# Altium PCB LAY-94611_B.PcbDoc (part 14 of 16) (continued)
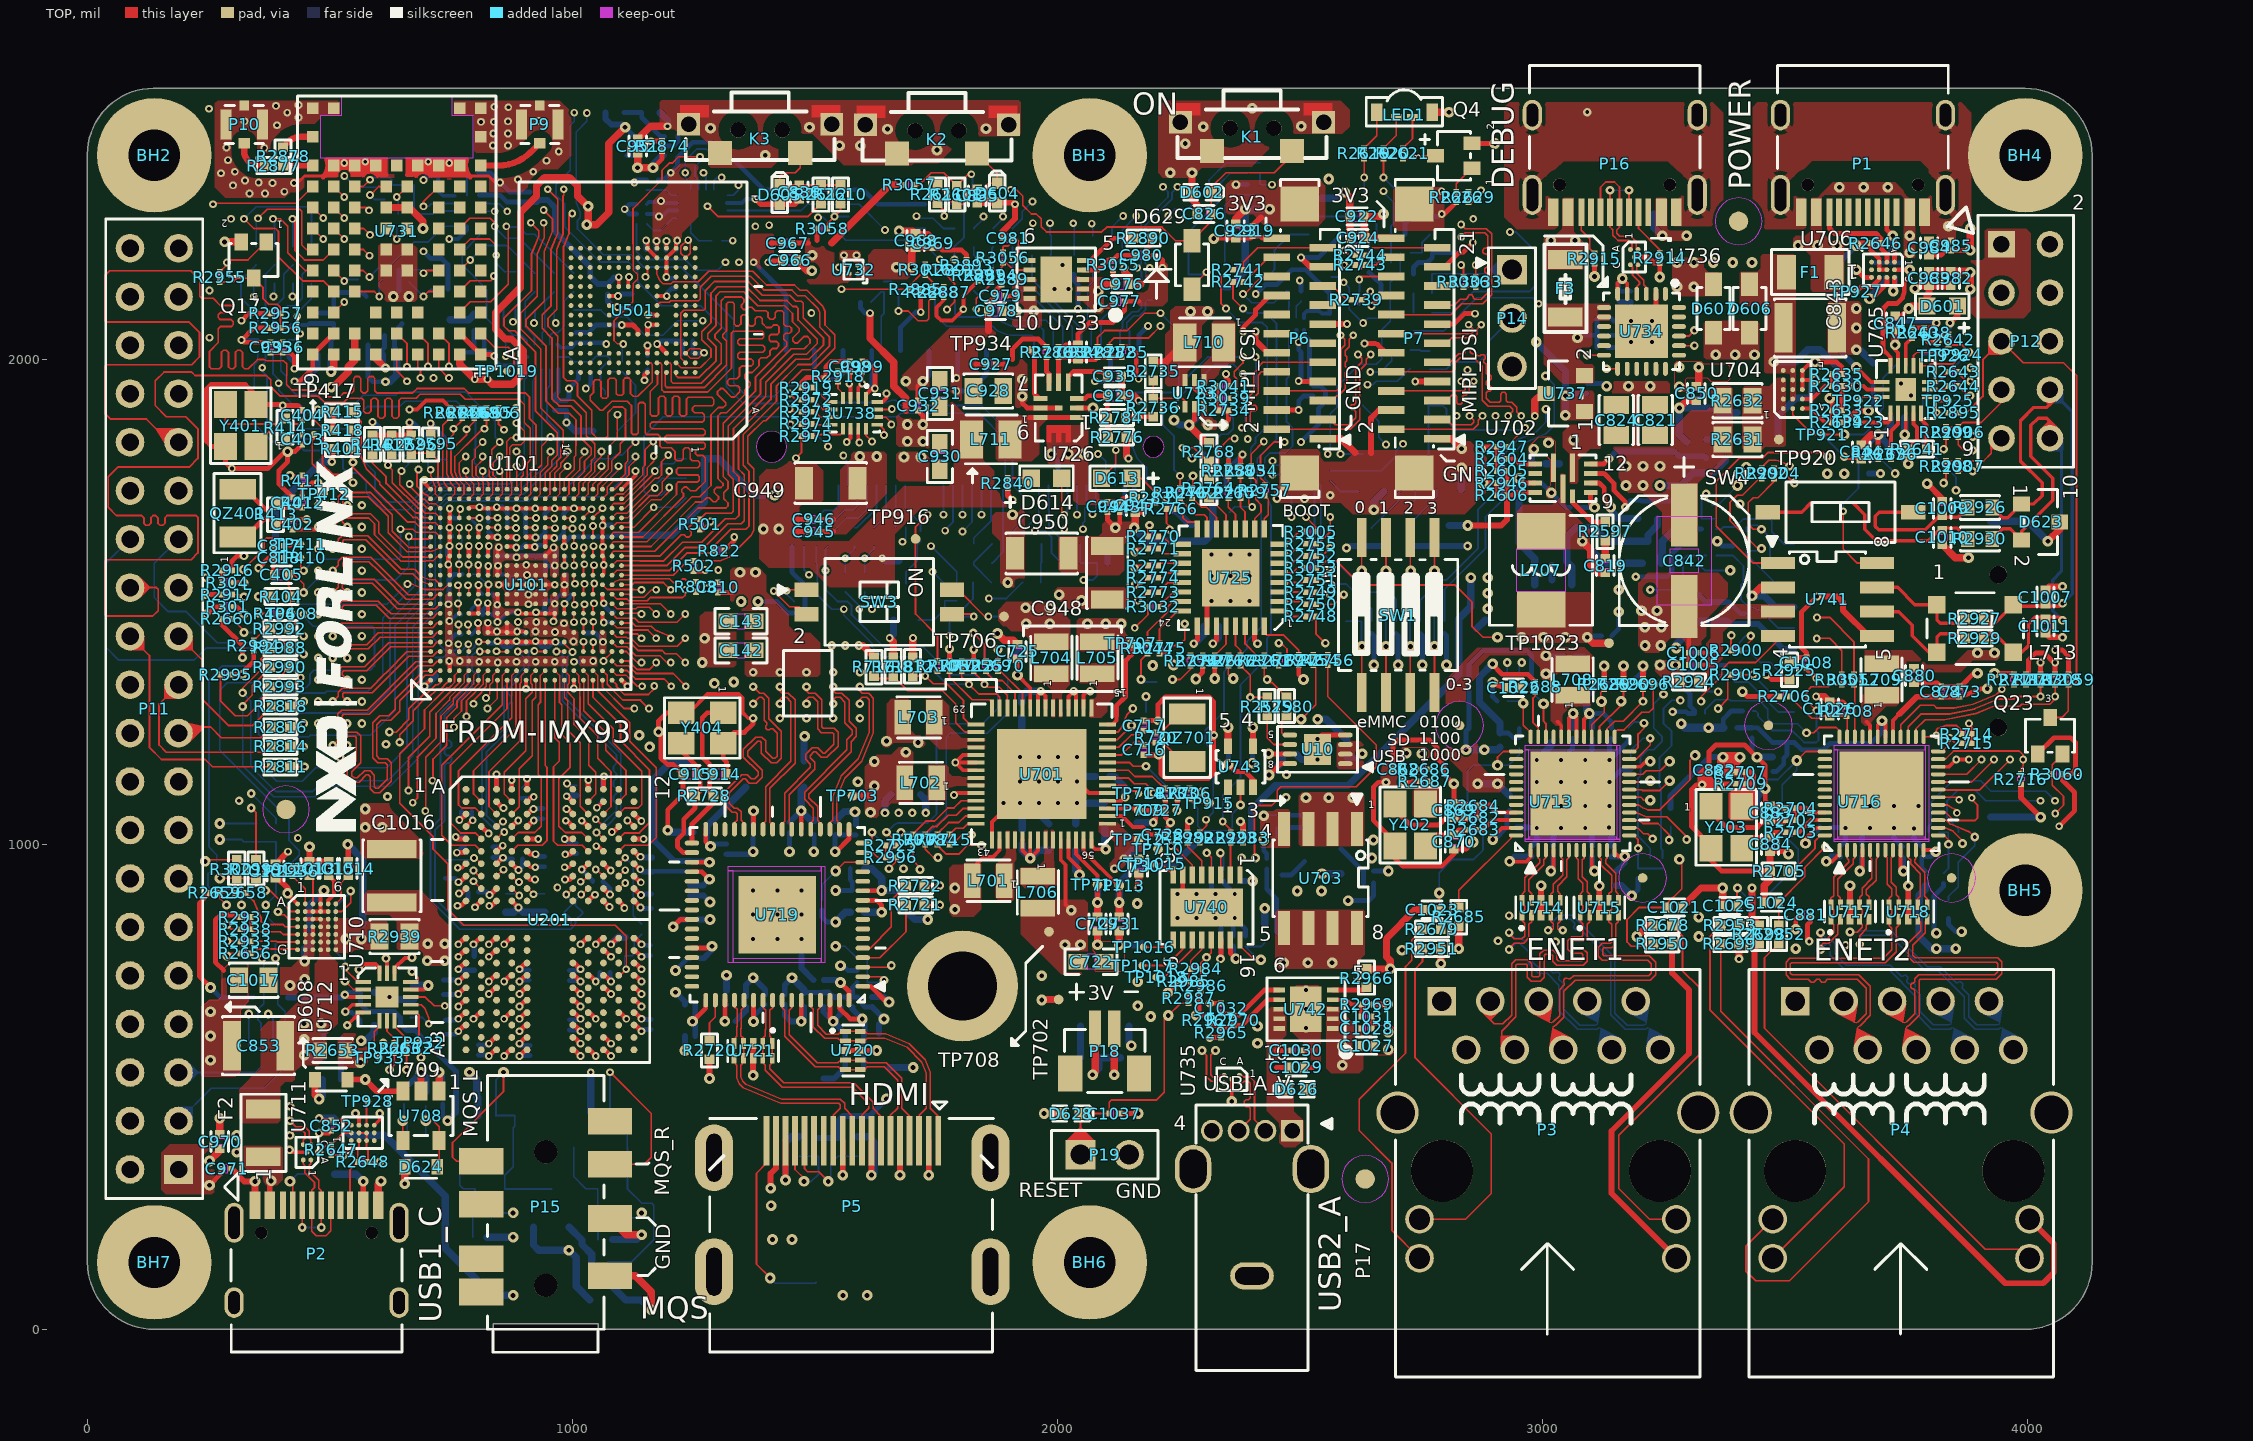
[diagram p0: TOP view]
## Polygon pours and split planes (outlines as drawn) (continued)
GND on BOTTOM "GND_L10_P331" (solid, remove dead copper, pour order 331): 2356.08,2080 2312.8,2080 2307.8,2075 2308.8,2074 2308.8,2043 2410.8,2043 2417.8,2050 2417.8,2064.18 2371.9,2064.18 2368.44,2067.64
DSI&CAM_3V3 on BOTTOM "DSI&CAM_3V3_L10_P330" (solid, remove dead copper, pour order 330): 2316,2114 2239,2114 2235,2110 2235,2090.02 2262.14,2062.88 2262.14,2040 2287.8,2040 2292.8,2045 2292.8,2087.8 2295,2090 2315,2090 2320,2095 2320,2110
NetL712_1 on BOTTOM "NETL712_1_L10_P329" (solid, remove dead copper, pour order 329): 1096.09,2465 1112.8,2448.29 1112.8,2420 1102.8,2410 1019.62,2410 1019.62,2460 1024.62,2465
GND on BOTTOM "GND_L10_P328" (solid, remove dead copper, pour order 328): 1112.82,2372.02 1112.82,2338.85 1098.95,2324.98 1082.78,2324.98 1077.82,2320.02 1077.82,2264.98 1082.8,2260 1112.8,2260 1114.8,2262 1114.8,2322 1137.8,2345 1137.8,2370 1132.8,2375 1115.8,2375
VEXT_1V8 on BOTTOM "VEXT_1V8_L10_P327" (solid, remove dead copper, pour order 327): 1077.8,2335 1067.8,2325 1067.8,2260 1062.8,2255 1041.52,2255 1028.12,2268.4 1028.12,2317.91 1019.62,2326.41 1019.62,2390 1097.8,2390 1102.8,2385 1102.8,2343 1094.8,2335
VPCIE_3V3 on BOTTOM "VPCIE_3V3_L10_P326" (solid, remove dead copper, pour order 326): 539.8,2107 527.8,2095 527.8,1972 512.8,1957 500.8,1957 491.8,1948 491.8,1941 499.8,1933 548.7,1933 562.8,1947.1 562.8,2050 585.78,2072.98 585.78,2105.02 583.8,2107
GND on BOTTOM "GND_L10_P325" (solid, remove dead copper, pour order 325): 18 vertices, not listed, extent 567.8,2065 772.8,2149
VEXP_5V on BOTTOM "VEXP_5V_L10_P323" (solid, remove dead copper, pour order 323): 357.8,350 327.8,320 327.8,285 312.8,270 32.8,270 27.8,275 27.8,450 62.8,485 327.8,485 357.8,455
GND on BOTTOM "GND_L10_P322" (solid, remove dead copper, pour order 322): 367.82,354.98 367.82,435.02 372.8,440 382.8,440 402.78,420.02 402.78,400 415.25,387.53 428.36,387.53 430.8,385.09 430.8,358 428.8,358 428.8,351 425.8,348 374.8,348
LPD4/X_VDD2 on BOTTOM "LPD4/X_VDD2_L10_P319" (solid, remove dead copper, pour order 319): 39 vertices, not listed, extent 878.48,1391.09 1030.47,1484.1
VDD_SOC_0V8 on BOTTOM "VDD_SOC_0V8_L10_P318" (solid, remove dead copper, pour order 318): 58 vertices, not listed, extent 840.84,1487.83 972.86,1583.73
LPD4X_VDDQ_0V6 on BOTTOM "LPD4X_VDDQ_0V6_L10_P317" (solid, remove dead copper, pour order 317): 17 vertices, not listed, extent 1767.8,855.5 1899.8,1007.98
GND on BOTTOM "GND_L10_P316" (solid, remove dead copper, pour order 316): 27 vertices, not listed, extent 1768.8,1007 2119.8,1244
VSYS_5V on BOTTOM "VSYS_5V_L10_P315" (solid, remove dead copper, pour order 315): 1841.8,1205 1791.8,1205 1785.8,1199 1785.8,1127 1807.8,1105 1842.8,1105 1845.8,1108 1845.8,1201
VDD_SOC_0V8 on BOTTOM "VDD_SOC_0V8_L10_P314" (solid, remove dead copper, pour order 314): 20 vertices, not listed, extent 1552.8,1052 1729.18,1201
NetC710_1 on BOTTOM "NETC710_1_L10_P313" (solid, remove dead copper, pour order 313): 1636.78,1272.98 1600.8,1237 1568.8,1237 1566.8,1235 1566.8,1205 1568.8,1203 1652.8,1203 1662.8,1213 1697.8,1213 1710.8,1200 1726.8,1200 1731.8,1205 1731.8,1270 1728.8,1273
LPD4/X_VDD1 on BOTTOM "LPD4/X_VDD1_L10_P311" (solid, remove dead copper, pour order 311): 1342.8,1515 1337.8,1510 1337.8,1500 1357.8,1480 1357.8,1445 1362.8,1440 1392.8,1440 1397.8,1445 1397.8,1500 1382.8,1515
LPD4/X_VDD1 on BOTTOM "LPD4/X_VDD1_L10_P308" (solid, remove dead copper, pour order 308): 32 vertices, not listed, extent 1082.8,1152 1435.8,1679
LPD4/X_VDD1 on BOTTOM "LPD4/X_VDD1_L10_P307" (solid, remove dead copper, pour order 307): 1057.8,1440 1079.3,1418.5 1088.5,1427.69 1088.5,1464 1057.8,1464
LPD4/X_VDD1 on BOTTOM "LPD4/X_VDD1_L10_P306" (solid, remove dead copper, pour order 306): 978.46,1565 1105,1565 1105,1481 1059,1527 1059,1541 1049,1551 1000,1551 993,1544 993,1532 989,1528 985.8,1528 978,1535.8 978,1564.5 977.98,1564.52
ANVDD_1V8 on BOTTOM "ANVDD_1V8_L10_P305" (solid, remove dead copper, pour order 305): 44 vertices, not listed, extent 1264.8,776 1557.8,1137.98
TXAVCC_1V8 on BOTTOM "TXAVCC_1V8_L10_P303" (solid, remove dead copper, pour order 303): 1370.8,647 1503.15,647 1546.78,603.37 1546.78,553.98 1544.8,552 1504.8,552 1502.8,554 1502.8,601 1486.8,617 1372.8,617 1362.8,627 1362.8,639
LPD4/X_VDD1 on BOTTOM "LPD4/X_VDD1_L10_P301" (solid, remove dead copper, pour order 301): 41 vertices, not listed, extent 842.8,440 1537.8,770
HDMI_5V on BOTTOM "HDMI_5V_L10_P300" (solid, remove dead copper, pour order 300): 1543.8,280 1552.8,271 1552.8,227 1550.82,225.02 1511.95,225.02 1506.95,230.02 1472.78,230.02 1462.8,240 1402.8,240 1387.8,255 1387.8,295 1397.8,305 1427.8,305 1452.8,280
NetF5_1 on BOTTOM "NETF5_1_L10_P299" (solid, remove dead copper, pour order 299): 1586.8,276 1702.8,276 1721.8,257 1721.8,214 1714.8,207 1640.8,207 1625.8,222 1604.97,222 1601.95,225.02 1580.78,225.02 1579.8,226 1579.8,269
GND on BOTTOM "GND_L10_P298" (solid, remove dead copper, pour order 298): 1597.8,215 1617.8,195 1617.8,140 1607.8,130 1517.8,130 1512.8,125 1432.8,125 1402.8,155 1402.8,215 1417.05,229.25 1457.8,229.25 1467.05,220 1502.8,220 1507.8,215
LPD4/X_VDD2 on BOTTOM "LPD4/X_VDD2_L10_P296" (solid, remove dead copper, pour order 296): 18 vertices, not listed, extent 1974.8,783 2088.78,907
GND on BOTTOM "GND_L10_P295" (solid, remove dead copper, pour order 295): 2151.8,854 2151.8,788 2118.8,755 2100.8,755 2069.02,786.78 2069.02,798.22 2077.78,806.98 2089.78,806.98 2103.8,821 2103.8,857 2106.8,860 2145.8,860
VDD_5V on BOTTOM "VDD_5V_L10_P289" (solid, remove dead copper, pour order 289): 35 vertices, not listed, extent 1537.8,50 2605,819
GND on BOTTOM "GND_L10_P287" (solid, remove dead copper, pour order 287): 17 vertices, not listed, extent 2662.8,935 2864.8,1145
GND on BOTTOM "GND_L10_P283" (solid, remove dead copper, pour order 283): 21 vertices, not listed, extent 3506.82,1020 3787.8,1170
GND on BOTTOM "GND_L10_P282" (solid, remove dead copper, pour order 282): 3326.8,1135 3292.8,1101 3292.8,1065 3302.8,1055 3475,1055 3480,1060 3480,1122.18 3456.85,1122.18 3444.03,1135
GND_CHASSIS1 on BOTTOM "GND_CHASSIS1_L10_P277" (solid, remove dead copper, pour order 277): 25 vertices, not listed, extent 2623,404 3364,939
GND_CHASSIS2 on BOTTOM "GND_CHASSIS2_L10_P276" (solid, remove dead copper, pour order 276): 27 vertices, not listed, extent 3254,402 4095,983
NVCC_BBSM_1V8 on BOTTOM "NVCC_BBSM_1V8_L10_P359" (solid, remove dead copper, pour order 359): 262.81,1629.99 239.82,1607 239.82,1543.98 296.8,1487 367.8,1487 384.8,1504 396.8,1504 407.8,1515 407.8,1618 395.81,1629.99
GND on BOTTOM "GND_L10_P358" (solid, remove dead copper, pour order 358): 3768.8,1961 3770.8,1959 3770.8,1916 3769.8,1915 3730.8,1915 3728.8,1917 3728.8,1960 3729.8,1961
GND on BOTTOM "GND_L10_P348" (solid, remove dead copper, pour order 348): 1337.8,1575 1333.9,1571.1 1333.9,1540.1 1342,1532 1433.32,1532 1437.8,1536.48 1437.8,1570 1432.8,1575
VPCIE_3V3 on BOTTOM "VPCIE_3V3_L10_P346" (solid, remove dead copper, pour order 346): 2067.8,1615 2067.8,1635 2077.8,1645 2077.8,1676.9 2090.9,1690 2168.8,1690 2169.8,1689 2169.8,1642 2132.8,1605 2077.8,1605
GND on BOTTOM "GND_L10_P340" (solid, remove dead copper, pour order 340): 2310.8,1607 2301.8,1598 2301.8,1504 2310.8,1495 2402.8,1495 2405.8,1498 2405.8,1601 2399.8,1607
NetF1_1 on BOTTOM "NETF1_1_L10_P337" (solid, remove dead copper, pour order 337): 19 vertices, not listed, extent 3517.8,2210 3787.8,2365
VLDO_3V3 on BOTTOM "VLDO_3V3_L10_P334" (solid, remove dead copper, pour order 334): 3272.8,2048.8 3272.8,1940 3277.8,1935 3382.8,1935 3387.8,1940 3387.8,1985 3387.79,1985 3382.79,1990 3332.8,1990 3327.8,1995 3313,1995 3301,2007 3301,2050 3291,2060 3284,2060
VBUS_IN on BOTTOM "VBUS_IN_L10_P333" (solid, remove dead copper, pour order 333): 24 vertices, not listed, extent 3028.8,1715 3267.8,1865
GND on BOTTOM "GND_L10_P332" (solid, remove dead copper, pour order 332): 24 vertices, not listed, extent 3122.8,1885 3297.8,2140
VEXT_1V8 on BOTTOM "VEXT_1V8_L10_P324" (solid, remove dead copper, pour order 324): 17 vertices, not listed, extent 662.8,1950 834.8,2045
USB1_VBUS_IN on BOTTOM "USB1_VBUS_IN_L10_P321" (solid, remove dead copper, pour order 321): 532.8,835 532.8,790 542.8,780 612.8,780 617.8,785 617.8,835 612.8,840 537.8,840
VBUS_IN on BOTTOM "VBUS_IN_L10_P320" (solid, remove dead copper, pour order 320): 642.8,845 712.8,845 742.8,815 742.8,755 737.8,750 692.8,750 689.8,753 689.8,773 680.8,782 640.8,782 637.8,785 637.8,840
GND on BOTTOM "GND_L10_P312" (solid, remove dead copper, pour order 312): 19 vertices, not listed, extent 1529,1287 1733.8,1377
VLDO3_1V8 on BOTTOM "VLDO3_1V8_L10_P310" (solid, remove dead copper, pour order 310): 1367.8,1425 1357.8,1415 1357.8,1385 1362.8,1380 1484,1380 1495,1391 1568,1391 1573,1396 1573,1418.8 1566.8,1425
VDD_ANA_1V8 on BOTTOM "VDD_ANA_1V8_L10_P309" (solid, remove dead copper, pour order 309): 1272.8,1480 1262.8,1470 1262.8,1370 1267.8,1365 1332.8,1365 1337.8,1370 1337.8,1475 1332.8,1480
GND on BOTTOM "GND_L10_P304" (solid, remove dead copper, pour order 304): 1482.8,920 1362.8,920 1352.8,910 1352.8,800 1362.8,790 1482.8,790 1487.8,795 1487.8,915
PVCC1_1V8 on BOTTOM "PVCC1_1V8_L10_P302" (solid, remove dead copper, pour order 302): 1289.8,626 1289.8,570 1302.8,557 1369.8,557 1371.8,559 1371.8,598 1345.8,624 1345.8,636 1335.8,646 1309.8,646
LPD4/X_VDDQ on BOTTOM "LPD4/X_VDDQ_L10_P297" (solid, remove dead copper, pour order 297): 1958.8,902 1958.8,853 1998.8,813 1998.8,669 1990.8,661 1945.8,661 1939.8,667 1939.8,788 1881.8,846 1881.8,902 1884.8,905 1955.8,905
VLDO_3V3 on BOTTOM "VLDO_3V3_L10_P294" (solid, remove dead copper, pour order 294): 2286.8,746 2152.8,746 2138.8,732 2138.8,666 2145.8,659 2188.8,659 2201.8,672 2201.8,699 2210.8,708 2286.8,708 2292.8,714 2292.8,740
GND on BOTTOM "GND_L10_P293" (solid, remove dead copper, pour order 293): 2405.8,679 2405.8,606 2389.8,590 2308.8,590 2301.8,597 2301.8,677 2308.8,684 2400.8,684
NetC1033_1 on BOTTOM "NETC1033_1_L10_P292" (solid, remove dead copper, pour order 292): 2405.8,743 2405.8,707 2403.8,705 2311.8,705 2306.8,710 2306.8,739 2310.8,743 2344.8,743 2352.8,751 2352.8,767 2360.8,775 2373.8,775
GND on BOTTOM "GND_L10_P291" (solid, remove dead copper, pour order 291): 2377.8,905 2377.8,840 2372.8,835 2237.8,835 2232.8,840 2232.8,900 2242.8,910 2372.8,910
GND on BOTTOM "GND_L10_P290" (solid, remove dead copper, pour order 290): 2475.8,916 2562.8,916 2569.8,909 2569.8,839 2563.8,833 2469.8,833 2466.8,836 2466.8,907
GND on BOTTOM "GND_L10_P288" (solid, remove dead copper, pour order 288): 2537.8,705 2487.8,705 2482.8,700 2482.8,620 2487.8,615 2537.8,615 2542.8,620 2542.8,700
GND on BOTTOM "GND_L10_P286" (solid, remove dead copper, pour order 286): 2992.8,940 2922.8,940 2917.8,935 2917.8,850 2927.8,840 2962.8,840 3012.8,890 3012.8,920
ENET1_DVDD3 on BOTTOM "ENET1_DVDD3_L10_P285" (solid, remove dead copper, pour order 285): 2949.8,1270 3016.8,1270 3027.8,1281 3067.8,1281 3074.8,1274 3074.8,1260 3071.8,1257 3045.8,1257 3041.8,1253 3041.8,1236 3038.8,1233 2948.32,1233 2945.8,1235.52 2945.8,1266
GND on BOTTOM "GND_L10_P284" (solid, remove dead copper, pour order 284): 2987.8,1191 2972.8,1176 2972.8,1033 2982.8,1023 3144.8,1023 3151.8,1030 3151.8,1182 3142.8,1191
GND on BOTTOM "GND_L10_P281" (solid, remove dead copper, pour order 281): 3540.8,1753 3540.8,1725.8 3535,1720 3510,1720 3505,1715 3505,1655 3512,1648 3604.8,1648 3606.8,1650 3606.8,1732 3632.8,1758 3632.8,1770 3627.8,1775 3562.8,1775
ENET2_DVDD_RGMII on BOTTOM "ENET2_DVDD_RGMII_L10_P280" (solid, remove dead copper, pour order 280): 4018,1420 3875,1420 3865,1410 3865,1285 3870,1280 4000,1280 4010,1290 4010,1315 4020,1325 4070,1325 4075,1330 4075,1380 4071,1384 4054,1384
ENET2_DVDDL on BOTTOM "ENET2_DVDDL_L10_P279" (solid, remove dead copper, pour order 279): 3511.8,864 3507.8,860 3507.8,780 3512.8,775 3527.8,775 3532.8,780 3532.8,812 3545.8,825 3545.8,861 3542.8,864
ENET2_AVDDL on BOTTOM "ENET2_AVDDL_L10_P278" (solid, remove dead copper, pour order 278): 19 vertices, not listed, extent 3511.8,876 3756.8,1015
LPD4/X_VDD2 on TOP "LPD4/X_VDD2_L01_P457" (solid, remove dead copper, pour order 457): 2056.8,886 2062.8,880 2062.8,739 2055.8,732 2007.8,732 1924.8,815 1924.8,884 1926.8,886
GND on TOP "GND_L01_P456" (solid, remove dead copper, pour order 456): 2072.82,781.98 2077.3,777.5 2077.3,739.5 2078.8,738 2131.8,738 2138.8,745 2138.8,794 2133.8,799 2081.82,799 2072.82,790
VDD_ANA_0V8 on TOP "VDD_ANA_0V8_L01_P455" (solid, remove dead copper, pour order 455): 19 vertices, not listed, extent 2085,941 2181,1046.64
GND on TOP "GND_L01_P448" (solid, remove dead copper, pour order 448): 1555,2225 1590,2225 1595,2220 1595,2199.16 1588.71,2192.87 1584.57,2192.87 1584.15,2192.45 1572.79,2203.81 1551.19,2203.81 1550.32,2204.68 1550.32,2220.32
GND on TOP "GND_L01_P445" (solid, remove dead copper, pour order 445): 1667.8,1805 1667.8,1755 1674.4,1748.4 1771.4,1748.4 1774,1751 1774,1792.3 1773.8,1792.5 1740.3,1792.5 1722.8,1810 1672.8,1810
GND on TOP "GND_L01_P444" (solid, remove dead copper, pour order 444): 17 vertices, not listed, extent 1680.32,1905 1872.8,2065
VDD_5V on TOP "VDD_5V_L01_P443" (solid, remove dead copper, pour order 443): 1891.8,2005 1922.8,2005 1937.78,1990.02 1937.78,1914.98 1922.8,1900 1872.8,1900 1867.8,1905 1867.8,1964 1887.8,1984 1887.8,2001
GND on TOP "GND_L01_P441" (solid, remove dead copper, pour order 441): 17 vertices, not listed, extent 1977.8,1700 2086.8,1864.57
GND on TOP "GND_L01_P425" (solid, remove dead copper, pour order 425): 23 vertices, not listed, extent 2922,2268 3373,2530
GND on TOP "GND_L01_P422" (solid, remove dead copper, pour order 422): 27 vertices, not listed, extent 3433.81,2236 3884.81,2530
VDD_3V3 on TOP "VDD_3V3_L01_P421" (solid, remove dead copper, pour order 421): 3997.8,2270 4007.8,2260 4007.8,2100 3992.8,2085 3895,2085 3885,2095 3885,2130 3872.8,2142.2 3872.8,2195 3882.8,2205 3907.8,2205 3912.8,2210 3912.8,2265 3917.8,2270
ENET2_DVDDL on TOP "ENET2_DVDDL_L01_P414" (solid, remove dead copper, pour order 414): 3664.62,1400 3763.48,1400 3793.48,1370 3847.8,1370 3877.8,1400 3937.8,1400 3942.8,1395 3942.8,1385 3937.8,1380 3887.8,1380 3862.8,1355 3664.62,1355
GND on TOP "GND_L01_P411" (solid, remove dead copper, pour order 411): 21 vertices, not listed, extent 3197.8,1395 3382.8,1560
GND on TOP "GND_L01_P408" (solid, remove dead copper, pour order 408): 3257.8,1955 3262.8,1950 3262.8,1930 3272.8,1920 3282.8,1920 3292.8,1910 3292.8,1895 3282.8,1885 3127.8,1885 3122.8,1890 3122.8,1945 3132.8,1955
VBUS_IN on TOP "VBUS_IN_L01_P405" (solid, remove dead copper, pour order 405): 34 vertices, not listed, extent 3042.8,1614.49 3392.8,1944.98
ENET1_DVDDL on TOP "ENET1_DVDDL_L01_P401" (solid, remove dead copper, pour order 401): 31 vertices, not listed, extent 2800.8,1108 3102.8,1406
NetR2686_2 on TOP "NETR2686_2_L01_P400" (solid, remove dead copper, pour order 400): 19 vertices, not listed, extent 2732.8,1055.02 2792.8,1160
LPD4/X_VDD1 on TOP "LPD4/X_VDD1_L01_P399" (solid, remove dead copper, pour order 399): 2713.8,1200 2758.8,1200 2765.8,1193 2765.8,1181 2752.8,1168 2752.8,1147 2750.8,1145 2710.8,1145 2708.8,1147 2708.8,1195
GND on TOP "GND_L01_P398" (solid, remove dead copper, pour order 398): 2679.8,1172 2666.8,1159 2666.8,1125 2672.8,1119 2721.8,1119 2724.8,1122 2724.8,1134.98 2706.65,1134.98 2696.8,1144.83 2696.8,1169 2693.8,1172
GND on TOP "GND_L01_P393" (solid, remove dead copper, pour order 393): 2687.8,627 2694.8,620 2694.8,572 2687.8,565 2653.56,565 2643.58,574.98 2643.58,625 2645.58,627
VDD_5V on TOP "VDD_5V_L01_P392" (solid, remove dead copper, pour order 392): 2554.8,665 2555.48,665.68 2586.12,665.68 2590.8,661 2590.8,651 2614.8,627 2628.8,627 2631.3,624.5 2631.3,536.5 2622.8,528 2564.8,528 2554.8,538
GND on TOP "GND_L01_P383" (solid, remove dead copper, pour order 383): 292.8,755 327.8,755 331.8,751 331.8,675 315.8,659 315.8,533 304.8,522 238.8,522 234.8,526 234.8,664 249.8,679 269.8,679 276.8,686 276.8,739
VSYS_5V on TOP "VSYS_5V_L01_P382" (solid, remove dead copper, pour order 382): 19 vertices, not listed, extent 349.8,690 467.3,817.79
no net on TOP "NONET_L01_P381" (solid, remove dead copper, pour order 381): 292.8,755 276.8,739 276.8,686 269.8,679 249.8,679 234.8,664 234.8,526 238.8,522 304.8,522 315.8,533 315.8,659 331.8,675 331.8,751 327.8,755
GND on TOP "GND_L01_P378" (solid, remove dead copper, pour order 378): 33 vertices, not listed, extent 262.8,2333.82 997.8,2534
GND on TOP "GND_L01_P377" (solid, remove dead copper, pour order 377): 2220.9,2533.1 2584.7,2533.1 2602.8,2515 2602.8,2480 2587.8,2465 2467.8,2465 2399.62,2396.82 2343.29,2396.82 2341.47,2395 2297.8,2395 2277.8,2375 2217.8,2375 2207.8,2385 2207.8,2520
GND on TOP "GND_L01_P375" (solid, remove dead copper, pour order 375): 25 vertices, not listed, extent 1180,2395 1925,2534.04
VPCIE_3V3 on TOP "VPCIE_3V3_L01_P374" (solid, remove dead copper, pour order 374): 51 vertices, not listed, extent 1385.62,1530 1925,1922.5
VDD_ANA_1V8 on TOP "VDD_ANA_1V8_L01_P373" (solid, remove dead copper, pour order 373): 1262.8,1470 1272.8,1480 1332.8,1480 1337.8,1475 1337.8,1370 1332.8,1365 1267.8,1365 1262.8,1370
GND on TOP "GND_L01_P372" (solid, remove dead copper, pour order 372): 17 vertices, not listed, extent 1325.8,1346 1510.8,1570
GND on TOP "GND_L01_P369" (solid, remove dead copper, pour order 369): 18 vertices, not listed, extent 737.8,1367.59 774.8,1522
LPD4/X_VDD2 on TOP "LPD4/X_VDD2_L01_P368" (solid, remove dead copper, pour order 368): 25 vertices, not listed, extent 898.86,1409.66 1012.1,1468.05
GND on TOP "GND_L01_P364" (solid, remove dead copper, pour order 364): 23 vertices, not listed, extent 836.05,1458.08 895.8,1520.39
VDD_SOC_0V8 on TOP "VDD_SOC_0V8_L01_P362" (solid, remove dead copper, pour order 362): 26 vertices, not listed, extent 839.41,1495.98 970.5,1564.7
GND on TOP "GND_L01_P360" (solid, remove dead copper, pour order 360): 29 vertices, not listed, extent 836.83,1550.05 971.49,1620.62
NetL704_1 on TOP "NETL704_1_L01_P462" (solid, remove dead copper, pour order 462): 23 vertices, not listed, extent 1949.8,1262 2025.8,1370
NetL705_1 on TOP "NETL705_1_L01_P461" (solid, remove dead copper, pour order 461): 20 vertices, not listed, extent 2042.8,1261 2125.9,1373
LPD4X_VDDQ_0V6 on TOP "LPD4X_VDDQ_0V6_L01_P460" (solid, remove dead copper, pour order 460): 1842.8,866 1827.8,851 1784.8,851 1776.8,859 1776.8,951 1783.98,958.18 1805.31,958.18 1809.13,962 1839.8,962 1842.8,959
NetL701_1 on TOP "NETL701_1_L01_P459" (solid, remove dead copper, pour order 459): 21 vertices, not listed, extent 1871.8,884 1915.8,1028
NetL706_1 on TOP "NETL706_1_L01_P458" (solid, remove dead copper, pour order 458): 23 vertices, not listed, extent 1922.8,910 1999.8,1030
VDD_SOC_0V8 on TOP "VDD_SOC_0V8_L01_P454" (solid, remove dead copper, pour order 454): 1657.8,1185 1672.8,1200 1692.8,1200 1702.8,1190 1702.8,1090 1697.8,1085 1657.8,1085 1627.8,1055 1612.8,1055 1602.8,1065 1602.8,1160 1627.8,1185
NetL702_1 on TOP "NETL702_1_L01_P453" (solid, remove dead copper, pour order 453): 24 vertices, not listed, extent 1732.8,1090 1850.8,1164
NetC710_1 on TOP "NETC710_1_L01_P452" (solid, remove dead copper, pour order 452): 22 vertices, not listed, extent 1637.8,1200 1727.8,1300
NetL703_1 on TOP "NETL703_1_L01_P451" (solid, remove dead copper, pour order 451): 24 vertices, not listed, extent 1728.8,1196.12 1851.8,1300
GND on TOP "GND_L01_P450" (solid, remove dead copper, pour order 450): 1368.8,2259 1366.8,2257 1366.8,2193.82 1376.91,2193.82 1385.73,2185 1413.8,2185 1414.8,2186 1414.8,2257 1412.8,2259
VDD_3V3 on TOP "VDD_3V3_L01_P449" (solid, remove dead copper, pour order 449): 1485.3,2250 1480.3,2245 1480.3,2164.7 1490,2155 1565,2155 1575,2165 1575,2177.16 1571.28,2180.88 1559.52,2180.88 1540.3,2200.1 1540.3,2244.7 1535,2250
VEXP_3V3 on TOP "VEXP_3V3_L01_P447" (solid, remove dead copper, pour order 447): 1610,2215 1622,2227 1679.8,2227 1711.8,2195 1711.8,2185.71 1691.09,2165 1585.02,2165 1585.02,2175.98 1583.87,2177.13 1587.13,2177.13 1610,2200
GND on TOP "GND_L01_P446" (solid, remove dead copper, pour order 446): 1647.8,1722.8 1647.8,1805 1642.8,1810 1580,1810 1575,1805 1575,1795 1552.8,1772.8 1552.8,1702.8 1530,1680 1530,1645 1535,1640 1565,1640
NetL711_1 on TOP "NETL711_1_L01_P442" (solid, remove dead copper, pour order 442): 1872.8,1880 1872.8,1795 1877.8,1790 1947.8,1790 1962.8,1805 1962.8,1860 1979.4,1876.6 1979.4,1885.31 1878.11,1885.31
VPCIE_3V3 on TOP "VPCIE_3V3_L01_P440" (solid, remove dead copper, pour order 440): 17 vertices, not listed, extent 2001.8,1555 2165.46,1665
GND on TOP "GND_L01_P439" (solid, remove dead copper, pour order 439): 1872.78,1684.98 1865.8,1678 1865.8,1642 1882.8,1625 1882.8,1540 1892.8,1530 1911.58,1530 1911.58,1540.67 cw(c1918.82,1540.67) 1918.82,1547.9 1930.7,1547.9 1932.8,1550 1932.8,1685 1925.98,1691.82 1919.15,1684.99 1919.15,1684.98
VDD_3V3 on TOP "VDD_3V3_L01_P438" (solid, remove dead copper, pour order 438): 1895,1500 1988.8,1500 2026.8,1462 2026.8,1404.37 2022.43,1400 1949.8,1400 1945.8,1404 1945.8,1419 1925.3,1439.5 1905.3,1439.5 1894.8,1450 1889,1450 1878,1461 1878,1483
GND on TOP "GND_L01_P437" (solid, remove dead copper, pour order 437): 2137.8,1530 2000.8,1530 1994.8,1524 1994.8,1513 2022.3,1485.5 2137.3,1485.5 2142.8,1491 2142.8,1525
LPD4/X_VDD1 on TOP "LPD4/X_VDD1_L01_P436" (solid, remove dead copper, pour order 436): 2044.8,1466 2138,1466 2142,1462 2142,1439 2163,1418 2163,1407.2 2153.8,1398 2042.8,1398 2039.8,1401 2039.8,1461
VDD_5V on TOP "VDD_5V_L01_P435" (solid, remove dead copper, pour order 435): 2296.8,1915 2296.8,1863.77 2305.57,1855 2347.8,1855 2350.3,1857.5 2350.3,1872.5 2347.8,1875 2323.8,1875 2307.8,1891 2307.8,1915 2306.8,1916 2297.8,1916
NetL710_1 on TOP "NETL710_1_L01_P434" (solid, remove dead copper, pour order 434): 2317.8,2075 2317.8,2007 2296.8,1986 2296.8,1951.24 2302.48,1945.56 2308.36,1945.56 2354.8,1992 2364.8,1992 2367.8,1995 2367.8,2075 2362.8,2080 2322.8,2080
DSI&CAM_3V3 on TOP "DSI&CAM_3V3_L01_P433" (solid, remove dead copper, pour order 433): 2232.8,2100 2232.8,2062 2222.8,2052 2222.8,1950 2227.8,1945 2266.8,1945 2267.8,1946 2267.8,1975 2297.8,2005 2297.8,2069 2323.8,2095 2323.8,2103 2316.8,2110 2242.8,2110
VEXP_5V on TOP "VEXP_5V_L01_P432" (solid, remove dead copper, pour order 432): 27 vertices, not listed, extent 1906.8,2065 1967.8,2170
VDD_5V on TOP "VDD_5V_L01_P431" (solid, remove dead copper, pour order 431): 30 vertices, not listed, extent 2038.3,2095 2095.8,2171.69
GND on TOP "GND_L01_P430" (solid, remove dead copper, pour order 430): 2217.8,2110 2169.8,2110 2165.8,2114 2165.8,2172 2168.28,2174.48 2190.72,2174.48 2204.13,2187.89 2204.13,2196.33 2207.8,2200 2222.8,2200 2227.8,2195 2227.8,2120
GND on TOP "GND_L01_P429" (solid, remove dead copper, pour order 429): 2347.8,2360 2357.8,2370 2542.22,2370 2552.8,2359.42 2552.8,2290 2537.8,2275 2427.8,2275 2403.8,2299 2352.8,2299 2347.8,2304
GND on TOP "GND_L01_P428" (solid, remove dead copper, pour order 428): 2692.8,2275 2702.8,2265 2792.8,2265 2797.8,2270 2797.8,2350 2792.8,2355 2697.8,2355 2692.8,2350
GND on TOP "GND_L01_P427" (solid, remove dead copper, pour order 427): 3018,1840 2992,1840 2972,1820 2972,1810 2978,1804 3006,1804 3017,1793 3017,1740 3008,1731 3008,1719 3012,1715 3021.63,1715 3028,1721.37 3028,1830
NetF3_1 on TOP "NETF3_1_L01_P426" (solid, remove dead copper, pour order 426): 3007.8,2255 3026.65,2255 3041.65,2270 3041.65,2329.66 3044.99,2333 3064.8,2333 3064.8,2263.19 3084.8,2243.19 3084.8,2187 3082.8,2185 3007.8,2185 3002.8,2190 3002.8,2250
NetF3_1 on TOP "NETF3_1_L01_P424" (solid, remove dead copper, pour order 424): 3232.8,2330 3232.8,2255 3242.8,2245 3302.8,2245 3307.8,2250 3302.81,2254.99 3302.81,2264.98 3262.78,2264.98 3257.8,2269.96 3257.8,2329.99 3254.74,2333.06 3235.86,2333.06
USBC_VBUS_F on TOP "USBC_VBUS_F_L01_P423" (solid, remove dead copper, pour order 423): 3327.8,2210 3332.8,2205 3332.8,2190 3342.8,2180 3362.8,2180 3370,2172.8 3370,2135.2 3364.8,2130 3281,2130 3268,2143 3268,2206 3272,2210
NetF1_1 on TOP "NETF1_1_L01_P420" (solid, remove dead copper, pour order 420): 33 vertices, not listed, extent 3517.8,2140 3769.8,2365
GND on TOP "GND_L01_P419" (solid, remove dead copper, pour order 419): 3592.8,2120 3587.8,2115 3587.8,2015 3592.8,2010 3652.8,2010 3657.8,2015 3657.8,2115 3652.8,2120
NetC849_1 on TOP "NETC849_1_L01_P418" (solid, remove dead copper, pour order 418): 3332.8,2005 3332.8,2075 3337.8,2080 3442.8,2080 3447.78,2075.02 3447.78,2004.98 3442.8,2000 3337.8,2000
USB_PD_VBUS_F on TOP "USB_PD_VBUS_F_L01_P417" (solid, remove dead copper, pour order 417): 21 vertices, not listed, extent 3407.8,1913 3522.8,2217
PD_USB_VBUS_IN on TOP "PD_USB_VBUS_IN_L01_P416" (solid, remove dead copper, pour order 416): 3484.79,1961.98 3467.81,1945 3417.8,1945 3412.8,1940 3412.8,1817.2 3420,1810 3450,1810 3460,1820 3500,1820 3501.8,1821.8 3501.78,1821.82 3501.78,1960.01 3499.81,1961.98
NetL709_1 on TOP "NETL709_1_L01_P415" (solid, remove dead copper, pour order 415): 3739.8,1320 3739.8,1294.65 3730.15,1285 3709.8,1285 3684.8,1260 3684.8,1254.24 3675.56,1245 3664.8,1245 3657.8,1252 3657.8,1320 3662.8,1325 3734.8,1325
VDD_5V on TOP "VDD_5V_L01_P413" (solid, remove dead copper, pour order 413): 3235,1380 3232.8,1377.8 3232.8,1357.2 3270,1320 3290,1320 3297.8,1327.8 3297.8,1348 3286,1359.8 3286,1375 3281,1380
CAN_VDD_5V on TOP "CAN_VDD_5V_L01_P412" (solid, remove dead copper, pour order 412): 21 vertices, not listed, extent 3312.6,1322 3519.48,1495
GND on TOP "GND_L01_P410" (solid, remove dead copper, pour order 410): 21 vertices, not listed, extent 2447.8,1681 2885.8,1831
VLDO_3V3 on TOP "VLDO_3V3_L01_P409" (solid, remove dead copper, pour order 409): 17 vertices, not listed, extent 3272.8,1935 3387.8,1995
VCC_3V3_DEBUG on TOP "VCC_3V3_DEBUG_L01_P407" (solid, remove dead copper, pour order 407): 3102.8,1935 3107.8,1930 3107.8,1880 3102.8,1875 3042.8,1875 3037.8,1880 3037.8,1930 3042.8,1935
DEBUG_5V on TOP "DEBUG_5V_L01_P406" (solid, remove dead copper, pour order 406): 29 vertices, not listed, extent 3002.8,1950 3141.78,2115
NetC819_2 on TOP "NETC819_2_L01_P404" (solid, remove dead copper, pour order 404): 2947,1687 2960,1700 3020.8,1700 3036.8,1716 3036.8,1762.68 3038.12,1764 3046.65,1764 3047.8,1762.85 3047.48,1762.53 3047.48,1700.32 3097.8,1650 3097.8,1615 3091.47,1608.67 2950.33,1608.67 2947,1612
VSYS_5V on TOP "VSYS_5V_L01_P403" (solid, remove dead copper, pour order 403): 3102.8,1515 3097.8,1520 2952.8,1520 2947.8,1515 2947.8,1420 2947.81,1420 2952.29,1415.52 2952.79,1416.02 3098.82,1416.02 3102.8,1420
NetL708_1 on TOP "NETL708_1_L01_P402" (solid, remove dead copper, pour order 402): 3022.8,1325 3018.11,1320.31 3018.11,1254.69 3027.8,1245 3042.8,1245 3042.8,1261.01 3065.76,1283.97 3071.77,1283.97 3072.8,1285 3097.01,1285 3100.35,1288.34 3100.35,1321.59 3100.78,1322.02 3097.8,1325
NetR816_2 on TOP "NETR816_2_L01_P397" (solid, remove dead copper, pour order 397): 2633.8,1204 2633.8,1167 2621.8,1155 2580.8,1155 2575.8,1160 2575.8,1208 2580.8,1213 2624.8,1213
VSYS_5V on TOP "VSYS_5V_L01_P396" (solid, remove dead copper, pour order 396): 2504.8,1107 2626.8,1107 2632.8,1101 2632.8,999 2629.8,996 2501.8,996 2497.8,1000 2497.8,1100
NetC838_2 on TOP "NETC838_2_L01_P395" (solid, remove dead copper, pour order 395): 2478.8,993 2480.8,995 2480.8,1067 2475.8,1072 2424.8,1072 2418.62,1065.82 2418.62,995.18 2420.8,993 2449.8,993
VDD_5V on TOP "VDD_5V_L01_P394" (solid, remove dead copper, pour order 394): 2630.8,865 2453.8,865 2449.8,861 2449.8,752 2457.8,744 2605.8,744 2633.8,772 2633.8,862
GND on TOP "GND_L01_P391" (solid, remove dead copper, pour order 391): 2542.8,480 2542.8,705 2537.8,710 2492.8,710 2482.8,700 2482.8,615 2522.8,575 2522.8,525 2515.8,518 2503.8,518 2497.82,512.02 2497.82,484.98 2502.8,480
VBUS_USB2_5V on TOP "VBUS_USB2_5V_L01_P390" (solid, remove dead copper, pour order 390): 19 vertices, not listed, extent 2432.3,375 2507.8,665
VEXP_3V3 on TOP "VEXP_3V3_L01_P389" (solid, remove dead copper, pour order 389): 169.8,382 151.8,364 151.8,288 161.8,278 256.8,278 261.8,283 261.8,352 250.8,363 250.8,372 240.8,382
NetF2_1 on TOP "NETF2_1_L01_P388" (solid, remove dead copper, pour order 388): 321.8,377 321.8,336 330.8,327 353.8,327 361.8,319 361.8,304 368.8,297 391.8,297 402.8,308 402.8,374 397.8,379 323.8,379
GND on TOP "GND_L01_P387" (solid, remove dead copper, pour order 387): 528.8,610 515.8,597 515.8,546 522.8,539 566.8,539 577.8,550 577.8,600 567.8,610
VBUS_IN on TOP "VBUS_IN_L01_P386" (solid, remove dead copper, pour order 386): 17 vertices, not listed, extent 567.8,750 746.8,905
USB1_VBUS_IN on TOP "USB1_VBUS_IN_L01_P385" (solid, remove dead copper, pour order 385): 567.8,841 616.8,841 617.8,840 617.8,786 614.8,783 550.8,783 544.8,777 511.8,777 509.8,779 509.8,847 510.8,848 560.8,848

## Text inside footprints (layer, text, board x,y; h text height)
C825: Bottom Pin Number "1" at 2978.46,1781.15 h10; Bottom Pin Number "2" at 3012.27,1781.15 h10
C826: Top Pin Number "1" at 2288.46,2303.85 h10 r180; Top Pin Number "2" at 2322.27,2303.85 h10 r180
C827: Bottom Pin Number "2" at 3054.92,1482.12 h15 r180; Bottom Pin Number "1" at 3108.92,1482.12 h15 r180
C828: Bottom Pin Number "2" at 3054.92,1542.12 h15 r180; Bottom Pin Number "1" at 3108.92,1542.12 h15 r180
C829: Bottom Pin Number "2" at 2990.68,1467.88 h15; Bottom Pin Number "1" at 2936.68,1467.88 h15
C830: Bottom Pin Number "2" at 2990.68,1527.88 h15; Bottom Pin Number "1" at 2936.68,1527.88 h15
C831: Bottom Pin Number "1" at 3117.51,1435.42 h10 r180; Bottom Pin Number "2" at 3141.75,1435.42 h10 r180
C832: Bottom Pin Number "1" at 3301.65,1800.66 h10 r90; Bottom Pin Number "2" at 3301.65,1834.47 h10 r90
C833: Bottom Pin Number "1" at 2972.51,1750.42 h10 r180; Bottom Pin Number "2" at 2996.75,1750.42 h10 r180
C834: Bottom Pin Number "1" at 3083.09,1689.58 h10; Bottom Pin Number "2" at 3058.85,1689.58 h10
C835: Top Pin Number "1" at 1831.15,2322.86 h10 r270; Top Pin Number "2" at 1831.16,2356.67 h10 r270
C836: Top Pin Number "1" at 1463.95,2330.66 h10 r270; Top Pin Number "2" at 1463.96,2364.47 h10 r270
C837: Bottom Pin Number "2" at 2529.92,1057.12 h15 r180; Bottom Pin Number "1" at 2583.92,1057.12 h15 r180
C838: Bottom Pin Number "1" at 2478.09,1054.58 h10; Bottom Pin Number "2" at 2453.85,1054.58 h10
C839: Bottom Pin Number "2" at 2552.92,858.88 h15 r90; Bottom Pin Number "1" at 2552.92,804.88 h15 r90
C840: Bottom Pin Number "2" at 2492.92,858.88 h15 r90; Bottom Pin Number "1" at 2492.92,804.88 h15 r90
C842: Top Pin Number "2" at 3282.8,1490.51 h15 r270; Top Pin Number "1" at 3282.8,1679.49 h15 r270
C843: Top Pin Number "2" at 3599.92,2065 h20; Top Pin Number "1" at 3489.68,2065 h20
C844: Top Pin Number "1" at 3661.64,1823.59 h10 r90; Top Pin Number "2" at 3661.64,1789.78 h10 r90
C845: Bottom Pin Number "1" at 3742.14,1818.85 h10 r180; Bottom Pin Number "2" at 3708.33,1818.85 h10 r180
C846: Bottom Pin Number "1" at 3718.46,1876.15 h10; Bottom Pin Number "2" at 3752.27,1876.15 h10
C847: Top Pin Number "1" at 3723.95,2060.66 h10 r270; Top Pin Number "2" at 3723.96,2094.47 h10 r270
C848: Bottom Pin Number "1" at 3733.09,2164.58 h10; Bottom Pin Number "2" at 3708.85,2164.58 h10
C849: Bottom Pin Number "1" at 3387.8,2167.62 h20 r90; Bottom Pin Number "2" at 3387.8,2057.38 h20 r90
C850: Top Pin Number "1" at 3313.95,1915.66 h10 r270; Top Pin Number "2" at 3313.96,1949.47 h10 r270
C851: Bottom Pin Number "1" at 701.65,460.66 h10 r90; Bottom Pin Number "2" at 701.65,494.47 h10 r90
C852: Top Pin Number "1" at 497.38,435.29 h10 r270; Top Pin Number "2" at 497.38,411.05 h10 r270
C853: Top Pin Number "1" at 415.92,585 h20 r180; Top Pin Number "2" at 305.68,585 h20 r180
C854: Bottom Pin Number "1" at 562.46,622.15 h10; Bottom Pin Number "2" at 596.27,622.15 h10
C855: Bottom Pin Number "1" at 592.14,698.85 h10 r180; Bottom Pin Number "2" at 558.33,698.85 h10 r180
C856: Bottom Pin Number "1" at 676.65,680.66 h10 r90; Bottom Pin Number "2" at 676.65,714.47 h10 r90
C857: Bottom Pin Number "1" at 3013.95,1239.34 h10 r270; Bottom Pin Number "2" at 3013.95,1205.53 h10 r270
C858: Bottom Pin Number "1" at 3057.38,1213.96 h10 r270; Bottom Pin Number "2" at 3057.38,1238.2 h10 r270
C859: Bottom Pin Number "1" at 3097.38,1213.96 h10 r270; Bottom Pin Number "2" at 3097.38,1238.2 h10 r270
C860: Bottom Pin Number "1" at 3137.38,1213.96 h10 r270; Bottom Pin Number "2" at 3137.38,1238.2 h10 r270
C861: Bottom Pin Number "1" at 3148.22,1001.04 h10 r90; Bottom Pin Number "2" at 3148.22,976.8 h10 r90
C862: Bottom Pin Number "1" at 2983.22,1001.04 h10 r90; Bottom Pin Number "2" at 2983.22,976.8 h10 r90
C863: Bottom Pin Number "1" at 2922.51,1040.42 h10 r180; Bottom Pin Number "2" at 2946.75,1040.42 h10 r180
C864: Bottom Pin Number "1" at 3028.22,1001.04 h10 r90; Bottom Pin Number "2" at 3028.22,976.8 h10 r90
C865: Bottom Pin Number "1" at 3108.22,1001.04 h10 r90; Bottom Pin Number "2" at 3108.22,976.8 h10 r90
C866: Bottom Pin Number "1" at 3071.14,1349.85 h10 r180; Bottom Pin Number "2" at 3037.33,1349.85 h10 r180
C867: Bottom Pin Number "1" at 3041.51,1394.42 h10 r180; Bottom Pin Number "2" at 3065.75,1394.42 h10 r180
C868: Top Pin Number "1" at 2718.09,1160.42 h10 r180; Top Pin Number "2" at 2693.85,1160.42 h10 r180
C869: Top Pin Number "1" at 2821.64,1084.34 h10 r90; Top Pin Number "2" at 2821.64,1050.53 h10 r90
C870: Top Pin Number "1" at 2813.95,990.66 h10 r270; Top Pin Number "2" at 2813.96,1024.47 h10 r270
C871: Bottom Pin Number "1" at 3471.15,1209.34 h10 r270; Bottom Pin Number "2" at 3471.15,1175.53 h10 r270
C872: Bottom Pin Number "1" at 3427.38,1214.71 h10 r270; Bottom Pin Number "2" at 3427.38,1238.95 h10 r270
C873: Top Pin Number "1" at 3866.22,1299.71 h10 r90; Top Pin Number "2" at 3866.22,1323.95 h10 r90
C874: Top Pin Number "1" at 3828.22,1299.71 h10 r90; Top Pin Number "2" at 3828.22,1323.95 h10 r90
C875: Bottom Pin Number "1" at 3788.22,1000.29 h10 r90; Bottom Pin Number "2" at 3788.22,976.05 h10 r90
C876: Bottom Pin Number "1" at 3620.22,1001.04 h10 r90; Bottom Pin Number "2" at 3620.22,976.8 h10 r90
C877: Bottom Pin Number "1" at 3665.22,1001.04 h10 r90; Bottom Pin Number "2" at 3665.22,976.8 h10 r90
C878: Bottom Pin Number "1" at 3567.51,1040.42 h10 r180; Bottom Pin Number "2" at 3591.75,1040.42 h10 r180
C879: Bottom Pin Number "1" at 3748.22,1000.29 h10 r90; Bottom Pin Number "2" at 3748.22,976.05 h10 r90
C880: Top Pin Number "1" at 3762.95,1333.66 h10 r270; Top Pin Number "2" at 3762.96,1367.47 h10 r270
C881: Top Pin Number "1" at 3527.51,849.58 h10; Top Pin Number "2" at 3551.75,849.58 h10
C882: Top Pin Number "1" at 3370.09,1158.42 h10 r180; Top Pin Number "2" at 3345.85,1158.42 h10 r180
C883: Top Pin Number "1" at 3473.64,1079.34 h10 r90; Top Pin Number "2" at 3473.64,1045.53 h10 r90
C884: Top Pin Number "1" at 3465.95,985.66 h10 r270; Top Pin Number "2" at 3465.96,1019.47 h10 r270
C885: Bottom Pin Number "1" at 1632.14,613.85 h10 r180; Bottom Pin Number "2" at 1598.33,613.85 h10 r180
C886: Bottom Pin Number "1" at 1583.22,690.29 h10 r90; Bottom Pin Number "2" at 1583.22,666.05 h10 r90
C887: Bottom Pin Number "1" at 1573.46,946.15 h10; Bottom Pin Number "2" at 1607.27,946.15 h10
C888: Bottom Pin Number "1" at 1603.09,899.58 h10; Bottom Pin Number "2" at 1578.85,899.58 h10
C889: Bottom Pin Number "1" at 1321.65,669.91 h10 r90; Bottom Pin Number "2" at 1321.65,703.72 h10 r90
C890: Bottom Pin Number "1" at 1363.22,691.04 h10 r90; Bottom Pin Number "2" at 1363.22,666.8 h10 r90
C891: Bottom Pin Number "1" at 1573.46,856.15 h10; Bottom Pin Number "2" at 1607.27,856.15 h10
C892: Bottom Pin Number "1" at 1258.09,664.58 h10; Bottom Pin Number "2" at 1233.85,664.58 h10
C893: Bottom Pin Number "1" at 1523.09,714.58 h10; Bottom Pin Number "2" at 1498.85,714.58 h10
C894: Bottom Pin Number "1" at 1237.38,939.71 h10 r270; Bottom Pin Number "2" at 1237.38,963.95 h10 r270
C895: Bottom Pin Number "1" at 1258.09,599.58 h10; Bottom Pin Number "2" at 1233.85,599.58 h10
C896: Bottom Pin Number "1" at 1248.46,1021.15 h10; Bottom Pin Number "2" at 1282.27,1021.15 h10
C897: Bottom Pin Number "1" at 1312.38,974.71 h10 r270; Bottom Pin Number "2" at 1312.38,998.95 h10 r270
C898: Bottom Pin Number "1" at 1494.95,1049.34 h10 r270; Bottom Pin Number "2" at 1494.95,1015.53 h10 r270
C899: Bottom Pin Number "1" at 1442.38,1019.71 h10 r270; Bottom Pin Number "2" at 1442.38,1043.95 h10 r270
C900: Bottom Pin Number "1" at 1232.51,850.42 h10 r180; Bottom Pin Number "2" at 1256.75,850.42 h10 r180
C901: Bottom Pin Number "1" at 1521.65,665.66 h10 r90; Bottom Pin Number "2" at 1521.65,699.47 h10 r90
C902: Bottom Pin Number "1" at 1558.22,690.29 h10 r90; Bottom Pin Number "2" at 1558.22,666.05 h10 r90
C903: Bottom Pin Number "1" at 1546.65,1020.66 h10 r90; Bottom Pin Number "2" at 1546.65,1054.47 h10 r90
C904: Bottom Pin Number "1" at 1590.22,1045.29 h10 r90; Bottom Pin Number "2" at 1590.22,1021.05 h10 r90
C905: Bottom Pin Number "1" at 1367.38,1009.71 h10 r270; Bottom Pin Number "2" at 1367.38,1033.95 h10 r270
C906: Bottom Pin Number "1" at 1237.38,889.71 h10 r270; Bottom Pin Number "2" at 1237.38,913.95 h10 r270
C907: Bottom Pin Number "1" at 1268.09,759.58 h10; Bottom Pin Number "2" at 1243.85,759.58 h10
C908: Bottom Pin Number "1" at 1481.65,665.66 h10 r90; Bottom Pin Number "2" at 1481.65,699.47 h10 r90
C909: Bottom Pin Number "1" at 1403.22,695.29 h10 r90; Bottom Pin Number "2" at 1403.22,671.05 h10 r90
C910: Bottom Pin Number "1" at 1443.22,695.29 h10 r90; Bottom Pin Number "2" at 1443.22,671.05 h10 r90
C911: Bottom Pin Number "1" at 1608.22,140.29 h10 r90; Bottom Pin Number "2" at 1608.22,116.05 h10 r90
C912: Bottom Pin Number "1" at 1571.65,110.66 h10 r90; Bottom Pin Number "2" at 1571.65,144.47 h10 r90
C913: Bottom Pin Number "1" at 1443.95,249.34 h10 r270; Bottom Pin Number "2" at 1443.95,215.53 h10 r270
C914: Top Pin Number "1" at 1288.46,1148.85 h10 r180; Top Pin Number "2" at 1322.27,1148.85 h10 r180
C915: Top Pin Number "1" at 1257.14,1141.16 h10; Top Pin Number "2" at 1223.33,1141.16 h10
C916: Bottom Pin Number "1" at 1613.09,709.58 h10; Bottom Pin Number "2" at 1588.85,709.58 h10
C917: Bottom Pin Number "1" at 2288.46,1896.15 h10; Bottom Pin Number "2" at 2322.27,1896.15 h10
C918: Bottom Pin Number "1" at 2316.14,2064.85 h10 r180; Bottom Pin Number "2" at 2282.33,2064.85 h10 r180
C919: Top Pin Number "1" at 2408.22,2249.71 h10 r90; Top Pin Number "2" at 2408.22,2273.95 h10 r90
C920: Bottom Pin Number "1" at 2522.38,1919.71 h10 r270; Bottom Pin Number "2" at 2522.38,1943.95 h10 r270
C921: Bottom Pin Number "1" at 2556.38,2068.69 h10 r270; Bottom Pin Number "2" at 2556.38,2092.93 h10 r270
C922: Top Pin Number "1" at 2603.46,2298.85 h10 r180; Top Pin Number "2" at 2637.27,2298.85 h10 r180
C923: Top Pin Number "1" at 2371.64,2279.34 h10 r90; Top Pin Number "2" at 2371.64,2245.53 h10 r90
C924: Top Pin Number "1" at 2605.46,2254.35 h10 r180; Top Pin Number "2" at 2639.27,2254.35 h10 r180
C925: Bottom Pin Number "1" at 2303.46,1446.15 h10; Bottom Pin Number "2" at 2337.27,1446.15 h10
C926: Top Pin Number "1" at 2319.38,1394.29 h10 r270; Top Pin Number "2" at 2319.38,1370.05 h10 r270
C927: Top Pin Number "1" at 1878.09,1995.42 h10 r180; Top Pin Number "2" at 1853.85,1995.42 h10 r180
C928: Top Pin Number "2" at 1898.64,1943.59 h20 r180; Top Pin Number "1" at 1828.65,1943.59 h20 r180
C929: Top Pin Number "1" at 2103.46,1928.85 h10 r180; Top Pin Number "2" at 2137.27,1928.85 h10 r180
C930: Top Pin Number "2" at 1750.68,1832.88 h15 r270; Top Pin Number "1" at 1750.68,1778.88 h15 r270
C931: Top Pin Number "2" at 1764.92,1897.12 h15 r90; Top Pin Number "1" at 1764.92,1951.12 h15 r90
C932: Top Pin Number "1" at 1718.22,1889.71 h10 r90; Top Pin Number "2" at 1718.22,1913.95 h10 r90
C933: Top Pin Number "1" at 2132.14,1961.16 h10; Top Pin Number "2" at 2098.33,1961.16 h10
C934: Top Pin Number "1" at 2046.64,2029.34 h10 r90; Top Pin Number "2" at 2046.64,1995.53 h10 r90
C935: Top Pin Number "1" at 383.22,2009.71 h10 r90; Top Pin Number "2" at 383.22,2033.95 h10 r90
C936: Top Pin Number "1" at 408.22,2009.71 h10 r90; Top Pin Number "2" at 408.22,2033.95 h10 r90
C937: Bottom Pin Number "1" at 488.22,2100.29 h10 r90; Bottom Pin Number "2" at 488.22,2076.05 h10 r90
C938: Bottom Pin Number "1" at 463.22,2100.29 h10 r90; Bottom Pin Number "2" at 463.22,2076.05 h10 r90
C939: Bottom Pin Number "1" at 957.38,1889.71 h10 r270; Bottom Pin Number "2" at 957.38,1913.95 h10 r270
C940: Bottom Pin Number "1" at 982.38,1889.71 h10 r270; Bottom Pin Number "2" at 982.38,1913.95 h10 r270
C941: Bottom Pin Number "1" at 1038.22,2060.29 h10 r90; Bottom Pin Number "2" at 1038.22,2036.05 h10 r90
C942: Bottom Pin Number "1" at 1013.22,2060.29 h10 r90; Bottom Pin Number "2" at 1013.22,2036.05 h10 r90
C943: Top Pin Number "1" at 2134.22,1680.71 h10 r90; Top Pin Number "2" at 2134.22,1704.95 h10 r90
C944: Top Pin Number "1" at 2109.22,1680.71 h10 r90; Top Pin Number "2" at 2109.22,1704.95 h10 r90
C945: Top Pin Number "1" at 1482.51,1639.58 h10; Top Pin Number "2" at 1506.75,1639.58 h10
C946: Top Pin Number "1" at 1482.51,1664.58 h10; Top Pin Number "2" at 1506.75,1664.58 h10
C947: Top Pin Number "1" at 2164.64,1713.34 h10 r90; Top Pin Number "2" at 2164.64,1679.53 h10 r90
C948: Top Pin Number "1" at 2092.8,1615.12 h15 r270; Top Pin Number "2" at 2092.8,1504.88 h15 r270
C949: Top Pin Number "2" at 1587.92,1735 h15; Top Pin Number "1" at 1477.68,1735 h15
C950: Top Pin Number "2" at 1912.68,1610 h15 r180; Top Pin Number "1" at 2022.92,1610 h15 r180
C951: Top Pin Number "1" at 1138.84,2454.34 h10 r90; Top Pin Number "2" at 1138.85,2420.53 h10 r90
C952: Bottom Pin Number "1" at 1087.14,2278.85 h10 r180; Bottom Pin Number "2" at 1053.33,2278.85 h10 r180
C953: Bottom Pin Number "1" at 1057.51,2315.42 h10 r180; Bottom Pin Number "2" at 1081.75,2315.42 h10 r180
C954: Bottom Pin Number "2" at 754.92,2087.88 h15 r90; Bottom Pin Number "1" at 754.92,2033.88 h15 r90
C955: Bottom Pin Number "2" at 694.92,2087.88 h15 r90; Bottom Pin Number "1" at 694.92,2033.88 h15 r90
C956: Bottom Pin Number "1" at 792.51,2065.42 h10 r180; Bottom Pin Number "2" at 816.75,2065.42 h10 r180
C957: Bottom Pin Number "1" at 792.51,2020.42 h10 r180; Bottom Pin Number "2" at 816.75,2020.42 h10 r180
C958: Bottom Pin Number "1" at 513.22,2100.29 h10 r90; Bottom Pin Number "2" at 513.22,2076.05 h10 r90
C959: Bottom Pin Number "1" at 473.46,2006.15 h10; Bottom Pin Number "2" at 507.27,2006.15 h10
C960: Bottom Pin Number "2" at 1405.68,1552.12 h15 r270; Bottom Pin Number "1" at 1405.68,1606.12 h15 r270
C961: Bottom Pin Number "2" at 559.92,2097.12 h15 r180; Bottom Pin Number "1" at 613.92,2097.12 h15 r180
C962: Bottom Pin Number "1" at 552.51,2010.42 h10 r180; Bottom Pin Number "2" at 576.75,2010.42 h10 r180
C963: Bottom Pin Number "1" at 552.51,2035.42 h10 r180; Bottom Pin Number "2" at 576.75,2035.42 h10 r180
C964: Bottom Pin Number "1" at 607.51,2055.42 h10 r180; Bottom Pin Number "2" at 631.75,2055.42 h10 r180
C965: Bottom Pin Number "1" at 637.14,2013.85 h10 r180; Bottom Pin Number "2" at 603.33,2013.85 h10 r180
C966: Top Pin Number "1" at 1433.46,2208.85 h10 r180; Top Pin Number "2" at 1467.27,2208.85 h10 r180
C967: Top Pin Number "1" at 1458.09,2245.42 h10 r180; Top Pin Number "2" at 1433.85,2245.42 h10 r180
C968: Top Pin Number "1" at 1711.64,2259.34 h10 r90; Top Pin Number "2" at 1711.64,2225.53 h10 r90
C969: Top Pin Number "1" at 1748.22,2224.71 h10 r90; Top Pin Number "2" at 1748.22,2248.95 h10 r90
C970: Top Pin Number "1" at 276.64,401.34 h10 r90; Top Pin Number "2" at 276.64,367.53 h10 r90
C971: Top Pin Number "1" at 271.51,325.58 h10; Top Pin Number "2" at 295.75,325.58 h10
C972: Bottom Pin Number "1" at 377.14,423.85 h10 r180; Bottom Pin Number "2" at 343.33,423.85 h10 r180
C973: Bottom Pin Number "1" at 347.51,390.42 h10 r180; Bottom Pin Number "2" at 371.75,390.42 h10 r180
C976: Top Pin Number "1" at 2147.14,2151.16 h10; Top Pin Number "2" at 2113.33,2151.16 h10
C977: Top Pin Number "1" at 2112.51,2114.58 h10; Top Pin Number "2" at 2136.75,2114.58 h10
C978: Top Pin Number "1" at 1858.46,2103.85 h10 r180; Top Pin Number "2" at 1892.27,2103.85 h10 r180
C979: Top Pin Number "1" at 1898.09,2136.92 h10 r180; Top Pin Number "2" at 1873.85,2136.92 h10 r180
C980: Top Pin Number "1" at 2157.51,2209.58 h10; Top Pin Number "2" at 2181.75,2209.58 h10
C981: Top Pin Number "1" at 1913.09,2255.42 h10 r180; Top Pin Number "2" at 1888.85,2255.42 h10 r180
C982: Top Pin Number "1" at 3838.95,2152.66 h10 r270; Top Pin Number "2" at 3838.96,2186.47 h10 r270
C983: Top Pin Number "1" at 3793.95,2152.66 h10 r270; Top Pin Number "2" at 3793.96,2186.47 h10 r270
C984: Top Pin Number "1" at 3801.64,2244.34 h10 r90; Top Pin Number "2" at 3801.64,2210.53 h10 r90
C985: Top Pin Number "1" at 3848.22,2219.71 h10 r90; Top Pin Number "2" at 3848.22,2243.95 h10 r90
C986: Bottom Pin Number "1" at 3330.55,1465.88 h15 r90; Bottom Pin Number "2" at 3330.55,1519.88 h15 r90
C987: Bottom Pin Number "1" at 3423.85,1480.29 h10 r90; Bottom Pin Number "2" at 3423.85,1456.05 h10 r90
C988: Bottom Pin Number "2" at 1041.96,298.59 h20 r180; Bottom Pin Number "1" at 1111.95,298.59 h20 r180
C989: Bottom Pin Number "2" at 1112.92,385 h15 r180; Bottom Pin Number "1" at 1002.68,385 h15 r180
C990: Bottom Pin Number "1" at 1082.14,188.85 h10 r180; Bottom Pin Number "2" at 1048.33,188.85 h10 r180
C991: Bottom Pin Number "2" at 788.96,298.59 h20 r180; Bottom Pin Number "1" at 858.95,298.59 h20 r180
C992: Bottom Pin Number "2" at 877.92,385 h15 r180; Bottom Pin Number "1" at 767.68,385 h15 r180
C993: Bottom Pin Number "1" at 823.7,193.85 h10 r180; Bottom Pin Number "2" at 789.89,193.85 h10 r180
C994: Bottom Pin Number "1" at 3142.14,2088.85 h10 r180; Bottom Pin Number "2" at 3108.33,2088.85 h10 r180
C995: Bottom Pin Number "1" at 3152.38,2114.71 h10 r270; Bottom Pin Number "2" at 3152.38,2138.95 h10 r270
C996: Bottom Pin Number "1" at 3108.26,2055.42 h10 r180; Bottom Pin Number "2" at 3132.5,2055.42 h10 r180
C997: Bottom Pin Number "1" at 3177.38,2114.71 h10 r270; Bottom Pin Number "2" at 3177.38,2138.95 h10 r270
C998: Top Pin Number "1" at 1578.22,1969.71 h10 r90; Top Pin Number "2" at 1578.22,1993.95 h10 r90
C999: Top Pin Number "1" at 1603.22,1969.71 h10 r90; Top Pin Number "2" at 1603.22,1993.95 h10 r90
C1000: Bottom Pin Number "1" at 3098.22,1955.29 h10 r90; Bottom Pin Number "2" at 3098.22,1931.05 h10 r90
C1001: Bottom Pin Number "1" at 3108.26,2030.42 h10 r180; Bottom Pin Number "2" at 3132.5,2030.42 h10 r180
C1005: Top Pin Number "1" at 3328.09,1375.42 h10 r180; Top Pin Number "2" at 3303.85,1375.42 h10 r180
C1006: Top Pin Number "1" at 3328.09,1400.42 h10 r180; Top Pin Number "2" at 3303.85,1400.42 h10 r180
C1007: Top Pin Number "1" at 4033.95,1495.66 h10 r270; Top Pin Number "2" at 4033.96,1529.47 h10 r270
C1008: Top Pin Number "1" at 3539.58,1390.29 h10 r270; Top Pin Number "2" at 3539.58,1366.05 h10 r270
C1009: Top Pin Number "1" at 3828.64,1707.34 h10 r90; Top Pin Number "2" at 3828.64,1673.53 h10 r90
C1010: Top Pin Number "1" at 3820.95,1618.66 h10 r270; Top Pin Number "2" at 3820.96,1652.47 h10 r270
C1011: Top Pin Number "1" at 4033.95,1435.66 h10 r270; Top Pin Number "2" at 4033.96,1469.47 h10 r270
C1012: Top Pin Number "1" at 391.64,959.34 h10 r90; Top Pin Number "2" at 391.64,925.53 h10 r90
C1013: Top Pin Number "1" at 461.64,964.34 h10 r90; Top Pin Number "2" at 461.64,930.53 h10 r90
C1014: Top Pin Number "1" at 541.64,964.34 h10 r90; Top Pin Number "2" at 541.64,930.53 h10 r90
C1015: Top Pin Number "1" at 501.64,964.34 h10 r90; Top Pin Number "2" at 501.64,930.53 h10 r90
C1016: Top Pin Number "1" at 627.8,871.88 h20 r90; Top Pin Number "2" at 627.8,982.12 h20 r90
C1017: Top Pin Number "2" at 383.64,728.59 h20 r180; Top Pin Number "1" at 313.65,728.59 h20 r180
C1018: Bottom Pin Number "1" at 461.65,795.66 h10 r90; Bottom Pin Number "2" at 461.65,829.47 h10 r90
C1019: Bottom Pin Number "1" at 2426.38,944.71 h10 r270; Bottom Pin Number "2" at 2426.38,968.95 h10 r270
C1021: Top Pin Number "1" at 3287.14,866.16 h10; Top Pin Number "2" at 3253.33,866.16 h10
C1022: Top Pin Number "1" at 2926.46,1326.85 h10 r180; Top Pin Number "2" at 2960.27,1326.85 h10 r180
C1023: Top Pin Number "1" at 2758.46,868.85 h10 r180; Top Pin Number "2" at 2792.27,868.85 h10 r180
C1024: Top Pin Number "1" at 3458.46,883.85 h10 r180; Top Pin Number "2" at 3492.27,883.85 h10 r180
C1025: Top Pin Number "1" at 3372.46,876.85 h10 r180; Top Pin Number "2" at 3406.27,876.85 h10 r180